# KiCad board travis_erg2024-new6.kicad_pcb (continued)
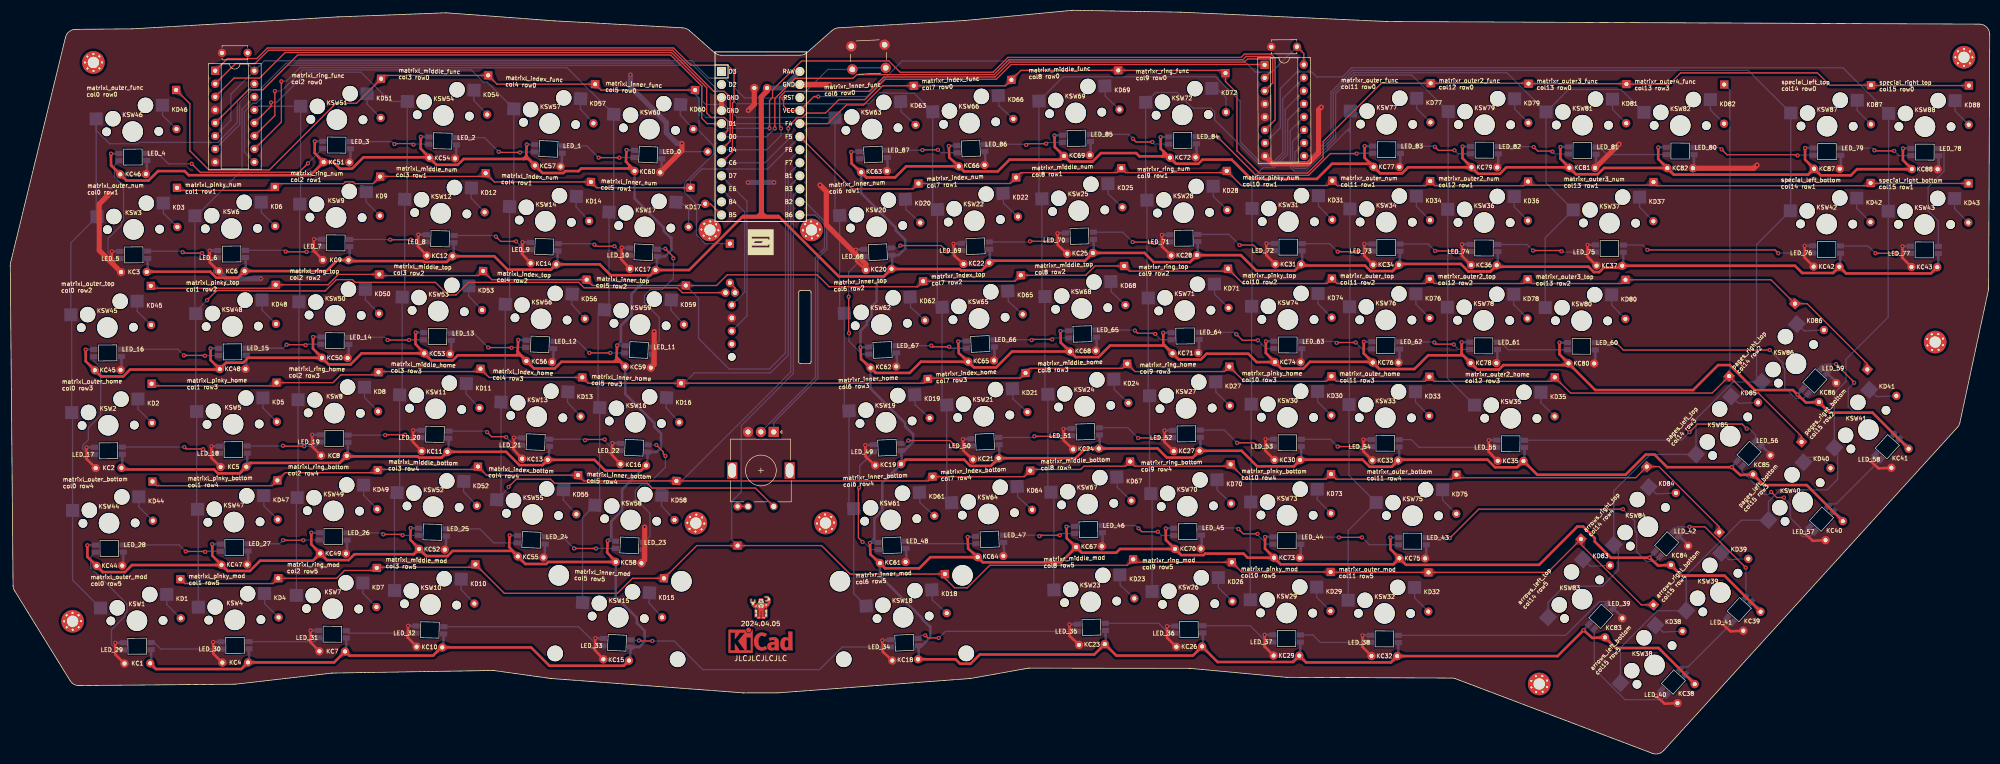
[diagram p0: board, top side]
## Routing (per net, layer and track width the routed paths; a pad name or vN(x,y) marks a point on that pad's centre or on a via; arc(x,y) is an arc through that point) (continued)
LED_4: length 37.7
  Top w0.25: v1(57.94,114.97) 56.2,113.22 36.96,113.22 v1(35.31,114.87)
  Bottom w0.25: KLED46.4 28.73,116.91 30.76,114.87 v1(35.31,114.87) ; v1(57.94,114.97) KLED51.2
LED_5: length 23.1
  Bottom w0.25: KLED3.4 20.11,96.41 19.04,97.49 19.04,100.35 21.62,102.94 21.62,103.41 22.05,103.84 22.05,110.56 20.27,112.34 20.27,114.56 KLED46.2
LED_6: length 14.2
  Top w0.25: v1(37.34,97.47) 33.74,97.47 v1(33.56,97.65)
  Bottom w0.25: v1(33.56,97.65) 33.35,97.86 KLED3.2 ; KLED6.4 38.24,96.58 v1(37.34,97.47)
LED_7: length 15.4
  Top w0.25: v1(57.69,97.73) 53.65,97.73 v1(53.6,97.78)
  Bottom w0.25: KLED6.2 53.35,98.03 v1(53.6,97.78) ; KLED9.4 59.59,97.73 v1(57.69,97.73)
LED_8: length 15.1
  Top w0.25: v1(77.98,100.09) v1(73.94,100.09)
  Bottom w0.25: v1(73.94,100.09) 73.44,100.09 73.38,100.14 KLED9.2 ; KLED12.4 78.42,99.65 v1(77.98,100.09)
LED_9: length 16
  Top w0.25: v1(94.52,100.7) 95.46,99.76 v1(98.46,99.76)
  Bottom w0.25: KLED14.4 100.06,98.16 v1(98.46,99.76) ; KLED12.2 94.31,100.91 v1(94.52,100.7)
LED_10: length 14.8
  Top w0.25: v1(117.61,98.82) 114,98.82 v1(113.7,99.13)
  Bottom w0.25: v1(117.61,98.82) 119.35,97.07 KLED17.4 ; KLED14.2 113.5,99.32 v1(113.7,99.13)
LED_11: length 26.8
  Top w0.25: v1(127.49,98.34) 129.06,96.76 v1(129.06,96.46)
  Bottom w0.25: v1(129.06,96.46) 129.06,92.55 126.91,90.4 124.58,90.4 123.42,89.24 123.42,87.8 126.32,84.91 126.32,80.44 KLED59.4 ; KLED17.2 126.11,98.34 v1(127.49,98.34)
LED_12: length 14.7
  Top w0.25: v1(112.71,78.04) v1(116.77,78.04)
  Bottom w0.25: KLED59.2 116.77,78.05 v1(116.77,78.04) ; v1(112.71,78.04) 110.46,80.29 KLED56.4
LED_13: length 15.7
  Top w0.25: v1(93.02,79.08) 97.52,79.08 v1(97.57,79.03)
  Bottom w0.25: v1(93.02,79.08) 90.24,81.87 KLED53.4 ; KLED56.2 97.66,79.12 v1(97.57,79.03)
LED_14: length 14.8
  Top w0.25: v1(73.44,80.56) v1(77.63,80.56)
  Bottom w0.25: v1(77.63,80.56) 77.93,80.56 77.98,80.61 KLED53.2 ; KLED50.4 72.9,81.09 v1(73.44,80.56)
LED_15: length 14.9
  Top w0.25: v1(57.49,79.54) 57.38,79.64 v1(53.78,79.64)
  Bottom w0.25: v1(57.49,79.54) 57.69,79.74 KLED50.2 ; v1(53.78,79.64) 53.11,78.98 KLED48.4
LED_16: length 19.5
  Top w0.25: v1(37.9,77.48) 37.83,77.56 v1(33.79,77.56)
  Bottom w0.25: v1(37.9,77.48) 37.95,77.53 KLED48.2 ; v1(33.79,77.56) 32.58,78.76 KLED45.4
LED_17: length 22.7
  Bottom w0.25: KLED45.2 16.24,76.49 17.59,75.14 17.59,65.86 15.21,63.48 15.21,61.16 14.11,60.06 14.11,59.35 15.18,58.27 KLED2.4
LED_18: length 19.4
  Top w0.25: v1(37.55,59.3) 37.5,59.35 34.24,59.35 v1(33.86,59.73)
  Bottom w0.25: v1(33.86,59.73) 33.85,59.71 KLED2.2 ; KLED5.4 38.37,58.48 v1(37.55,59.3)
LED_19: length 14.6
  Top w0.25: v1(53.07,59.98) 53.17,59.88 v1(57.21,59.88)
  Bottom w0.25: v1(57.21,59.88) 59.51,59.88 KLED8.4 ; KLED5.2 53.01,59.93 v1(53.07,59.98)
LED_20: length 14.5
  Top w0.25: v1(76.84,62.12) 73.03,62.12 v1(72.95,62.04)
  Bottom w0.25: KLED8.2 72.95,62.05 v1(72.95,62.04) ; v1(76.84,62.12) 77.39,61.56 KLED11.4
LED_21: length 15.3
  Top w0.25: v1(92.79,62.63) 93.68,61.74 96.42,61.74 v1(96.53,61.64)
  Bottom w0.25: KLED11.2 92.6,62.82 v1(92.79,62.63) ; KLED13.4 98.07,60.09 v1(96.53,61.64)
LED_22: length 14.9
  Top w0.25: v1(115.7,61.2) 112.02,61.2 v1(111.87,61.05)
  Bottom w0.25: v1(115.7,61.2) 115.7,60.9 117.58,59.02 KLED16.4 ; v1(111.87,61.05) 111.66,61.26 KLED13.2
LED_23: length 26.2
  Top w0.25: v1(125.74,60.14) 127.11,58.76 127.11,58.38 v1(127.51,57.98)
  Bottom w0.25: KLED16.2 124.17,60.14 v1(125.74,60.14) ; KLED58.4 124.52,42.41 124.52,46.78 121.65,49.64 121.65,51.24 122.75,52.34 124.04,52.34 127.51,55.82 v1(127.51,57.98)
LED_24: length 14.6
  Top w0.25: v1(109.73,39.97) v1(114.03,39.97)
  Bottom w0.25: v1(114.03,39.97) 114.48,39.97 114.5,39.99 KLED58.2 ; KLED55.4 107.48,42.22 v1(109.73,39.97)
LED_25: length 14.9
  Bottom w0.25: KLED55.2 94.11,41.06 91.4,43.78 KLED52.4
LED_26: length 14.1
  Top w0.25: v1(72.6,42.71) 76.21,42.71 v1(76.36,42.56)
  Bottom w0.25: v1(72.6,42.71) 72.31,43 KLED49.4 ; KLED52.2 76.4,42.52 v1(76.36,42.56)
LED_27: length 14.2
  Top w0.25: v1(53.09,41.57) v1(57.05,41.57)
  Bottom w0.25: KLED49.2 57.13,41.64 v1(57.05,41.57) ; v1(53.09,41.57) 52.4,40.88 KLED47.4
LED_28: length 19.5
  Top w0.25: v1(34.14,39.38) 34.15,39.39 37.87,39.39 v1(37.95,39.31)
  Bottom w0.25: v1(37.95,39.31) 38.07,39.43 KLED47.2 ; KLED44.4 32.86,40.67 v1(34.14,39.38)
LED_29: length 25.3
  Bottom w0.25: KLED44.2 15.65,38.29 15.65,36.14 16.33,35.45 16.42,35.45 22.7,29.18 22.7,27.63 22.29,27.22 22.29,26.74 19.7,24.15 19.7,21.29 20.44,20.56 20.96,20.56 21.3,20.21 KLED1.4
LED_30: length 14.2
  Bottom w0.25: KLED1.2 28,21.66 29.28,20.38 KLED4.4
LED_31: length 13.9
  Bottom w0.25: KLED4.2 59.22,21.83 KLED7.4
LED_32: length 13.7
  Bottom w0.25: KLED10.4 65.87,23.48 KLED7.2
LED_33: length 32.5
  Bottom w0.25: KLED10.2 110.61,24.73 114.31,21.03 KLED15.4
LED_34: length 54.8
  Top w0.25: v1(122.36,22.06) 122.46,21.96 v1(124.97,21.96)
  Bottom w0.25: v1(124.97,21.96) 129.19,21.96 134.78,16.37 157.51,16.37 161.92,20.78 KLED18.4 ; KLED15.2 120.94,22.06 v1(122.36,22.06)
LED_35: length 32.1
  Top w0.25: v1(178.08,23.05) 178.59,22.54 v1(180.73,22.54)
  Bottom w0.25: v1(180.73,22.54) 182.01,23.83 KLED23.4 ; v1(178.08,23.05) 177.29,23.05 KLED18.2
LED_36: length 14.4
  Bottom w0.25: KLED23.2 223.55,25.39 225.48,23.46 KLED26.4
LED_37: length 14.9
  Bottom w0.25: KLED26.2 241.34,24.93 244.51,21.75 KLED29.4
LED_38: length 14.2
  Bottom w0.25: KLED29.2 253.53,23.13 254.99,21.67 KLED32.4
LED_39: length 43.6
  Bottom w0.25: KLED32.2 302.69,23.05 309.25,29.61 310.52,29.61 KLED83.4
LED_40: length 24.8
  Bottom w0.25: KLED38.4 321.46,10.53 314.26,10.53 308.3,16.49 KLED83.2
LED_41: length 14
  Bottom w0.25: KLED39.4 326.55,16.91 325.49,16.91 KLED38.2
LED_42: length 23.4
  Top w0.25: v1(326.83,44.19) 329.82,44.19 v1(337.77,36.24)
  Bottom w0.25: KLED84.4 324.56,44.19 v1(326.83,44.19) ; KLED39.2 337.81,36.2 v1(337.77,36.24)
LED_43: length 55.8
  Top w0.25: v1(313.9,47.61) 285.81,47.61 v1(280.17,41.98)
  Bottom w0.25: v1(313.9,47.61) 316.17,45.34 316.17,43.39 316.55,43.01 316.55,39.33 318.43,37.44 320.16,37.44 KLED84.2 ; v1(280.17,41.98) 280.07,42.07 KLED75.4
LED_44: length 19.6
  Top w0.25: v1(263.1,42.13) v1(258.58,42.13)
  Bottom w0.25: v1(263.1,42.13) 264.53,40.7 KLED75.2 ; KLED73.4 258.53,42.18 v1(258.58,42.13)
LED_45: length 15.3
  Top w0.25: v1(239.04,43.75) 239.98,42.81 v1(242.75,42.81)
  Bottom w0.25: v1(239.04,43.75) 238.82,43.98 KLED70.4 ; KLED73.2 244.59,40.8 242.75,42.65 v1(242.75,42.81)
LED_46: length 14.7
  Top w0.25: v1(223.37,43.22) 220.25,43.22 v1(219.59,43.88)
  Bottom w0.25: KLED70.2 224.09,42.51 v1(223.37,43.22) ; KLED67.4 219.03,44.44 v1(219.59,43.88)
LED_47: length 14.2
  Top w0.25: v1(200.31,42.36) 200.49,42.53 v1(204.27,42.53)
  Bottom w0.25: KLED64.4 200.11,42.56 v1(200.31,42.36) ; v1(204.27,42.53) 204.61,42.87 KLED67.2
LED_48: length 13.9
  Bottom w0.25: KLED64.2 174.76,40.9 KLED61.4
LED_49: length 22.8
  Top w0.25: v1(165.21,51.81) 165.07,51.66 165.07,42.07 v1(165.89,41.24)
  Bottom w0.25: v1(165.21,51.81) 165.33,51.93 165.33,56.07 KLED19.4 ; KLED61.2 167.6,39.74 166.1,41.24 v1(165.89,41.24)
LED_50: length 14.5
  Top w0.25: v1(184.05,59.81) 182.88,60.98 v1(174.78,60.98)
  Bottom w0.25: v1(184.05,59.81) 184.18,59.93 KLED21.4 ; v1(174.78,60.98) 174.22,60.42 KLED19.2
LED_51: length 14.4
  Top w0.25: v1(203.66,61.86) 203.61,61.81 v1(199.32,61.81)
  Bottom w0.25: KLED21.2 199.09,61.59 v1(199.32,61.81) ; KLED24.4 203.71,61.91 v1(203.66,61.86)
LED_52: length 15.1
  Top w0.25: v1(223.32,61.53) 223.27,61.48 v1(219.51,61.48)
  Bottom w0.25: KLED24.2 217.52,63.48 v1(219.51,61.48) ; v1(223.32,61.53) 223.34,61.55 KLED27.4
LED_53: length 15.7
  Top w0.25: v1(242.83,59.76) 242.04,60.54 v1(238.77,60.54)
  Bottom w0.25: v1(242.83,59.76) 243.29,59.76 243.38,59.85 KLED30.4 ; KLED27.2 236.28,63.02 v1(238.77,60.54)
LED_54: length 14.2
  Top w0.25: v1(258.35,59.81) v1(262.08,59.81)
  Bottom w0.25: v1(262.08,59.81) 262.12,59.77 KLED33.4 ; v1(258.35,59.81) 256.93,61.23 KLED30.2
LED_55: length 19.6
  Bottom w0.25: KLED35.4 274.18,59.66 272.7,61.15 KLED33.2
LED_56: length 48.3
  Top w0.25: v1(326.83,62.63) 328.39,64.19 337.07,64.19 v1(337.98,63.29)
  Bottom w0.25: v1(337.98,63.29) 338.49,63.29 339.72,62.05 KLED85.4 ; KLED35.2 325.24,61.04 v1(326.83,62.63)
LED_57: length 23.5
  Top w0.25: v1(342.73,50.97) 343.81,49.89 v1(345.23,49.89)
  Bottom w0.25: KLED85.2 337.12,54.89 341.53,50.47 342.23,50.47 v1(342.73,50.97) ; KLED40.4 350.28,42.26 348.82,42.26 348.37,42.71 348.37,44.03 346.44,45.96 346.44,48.52 345.18,49.77
LED_58: length 14
  Bottom w0.25: KLED41.4 355.37,48.64 354.31,48.64 KLED40.2
LED_59: length 24.5
  Top w0.25: v1(358.88,72.23) 358.88,72.33 v1(355.35,75.86)
  Bottom w0.25: v1(358.88,72.23) 357.73,71.08 357.73,67.63 358.83,66.53 362.34,66.53 KLED41.2 ; KLED86.4 353.33,75.86 v1(355.35,75.86)
LED_60: length 48.9
  Top w0.25: v1(342.47,78.6) 313.95,78.6 v1(312.53,80.02)
  Bottom w0.25: KLED86.2 348.98,69.17 347.51,69.17 345.37,71.31 345.37,74.92 344.99,75.3 344.99,76.09 v1(342.47,78.6) ; KLED80.4 312.52,80.03 v1(312.53,80.02)
LED_61: length 14.2
  Bottom w0.25: KLED80.2 291.55,78.65 290.09,80.11 KLED78.4
LED_62: length 14.2
  Top w0.25: v1(280.95,79.69) 280.9,79.75 277.5,79.75 v1(277.17,80.08)
  Bottom w0.25: KLED76.4 277.05,80.2 v1(277.17,80.08) ; v1(280.95,79.69) 281.91,78.74 KLED78.2
LED_63: length 14.3
  Top w0.25: v1(261.85,80.08) 258.22,80.08 v1(258.15,80)
  Bottom w0.25: v1(261.85,80.08) 263.11,78.82 KLED76.2 ; v1(258.15,80) 257.87,80.28 KLED74.4
LED_64: length 15.9
  Top w0.25: v1(238.64,81.68) 239.81,80.51 v1(242.83,80.51)
  Bottom w0.25: KLED74.2 244.43,78.9 v1(242.83,80.51) ; v1(238.64,81.68) 238.24,82.07 KLED71.4
LED_65: length 15.4
  Top w0.25: v1(222.86,81.73) 222.71,81.88 219.41,81.88 v1(218.88,82.41)
  Bottom w0.25: KLED71.2 223.99,80.6 v1(222.86,81.73) ; KLED68.4 218.77,82.52 v1(218.88,82.41)
LED_66: length 14.8
  Top w0.25: v1(202.8,80.69) 198.94,80.69 v1(198.79,80.53)
  Bottom w0.25: v1(198.79,80.53) 198.7,80.62 KLED65.4 ; v1(202.8,80.69) 203.07,80.95 KLED68.2
LED_67: length 13.9
  Top w0.25: v1(179.25,79.47) 179.48,79.24 v1(182.76,79.24)
  Bottom w0.25: KLED65.2 183.04,78.96 v1(182.76,79.24) ; KLED62.4 179.24,79.45 v1(179.25,79.47)
LED_68: length 22.7
  Top w0.25: v1(163.25,81.88) 163.25,82.21 163.17,82.29 v1(163.17,89.02)
  Bottom w0.25: v1(163.17,89.02) 163.17,93.8 KLED20.4 ; KLED62.2 165.77,77.79 163.25,80.32 v1(163.25,81.88)
LED_69: length 14.5
  Top w0.25: v1(182.38,97.75) 181.18,98.95 v1(173.23,98.95)
  Bottom w0.25: v1(182.38,97.75) 182.61,97.99 KLED22.4 ; KLED20.2 172.77,98.48 v1(173.23,98.95)
LED_70: length 15
  Top w0.25: v1(202.49,99.96) 202.32,99.79 v1(198.46,99.79)
  Bottom w0.25: KLED25.4 202.53,99.99 v1(202.49,99.96) ; v1(198.46,99.79) 198.31,99.64 KLED22.2
LED_71: length 15.9
  Top w0.25: v1(222.71,99.48) 222.56,99.63 v1(218.45,99.63)
  Bottom w0.25: v1(218.45,99.63) 216.52,101.56 KLED25.2 ; v1(222.71,99.48) 222.88,99.65 KLED28.4
LED_72: length 16.2
  Top w0.25: v1(239.25,99.05) 241.97,99.05 v1(243.06,97.96)
  Bottom w0.25: v1(239.25,99.05) 237.18,101.12 KLED28.2 ; KLED31.4 243.06,97.95 v1(243.06,97.96)
LED_73: length 14.4
  Top w0.25: v1(262.23,97.73) 262.21,97.75 v1(258.35,97.75)
  Bottom w0.25: v1(258.35,97.75) 256.77,99.33 KLED31.2 ; KLED34.4 262.38,97.87 v1(262.23,97.73)
LED_74: length 14.4
  Top w0.25: v1(277.32,97.91) 281.16,97.91 v1(281.41,97.65)
  Bottom w0.25: v1(277.32,97.91) 275.98,99.25 KLED34.2 ; KLED36.4 281.55,97.79 v1(281.41,97.65)
LED_75: length 19.6
  Top w0.25: v1(296.37,97.98) 301.76,97.98 v1(301.91,97.83)
  Bottom w0.25: KLED36.2 295.19,99.16 v1(296.37,97.98) ; KLED37.4 302.06,97.68 v1(301.91,97.83)
LED_76: length 37.5
  Top w0.25: v1(318.62,98.11) 343.46,98.11 v1(344.12,97.45)
  Bottom w0.25: v1(318.62,98.11) 317.68,99.06 KLED37.2 ; v1(344.12,97.45) 344.17,97.5 KLED42.4
LED_77: length 14.2
  Top w0.25: v1(363.02,97.45) 366.96,97.45 v1(366.98,97.42)
  Bottom w0.25: v1(366.98,97.42) 367,97.41 KLED43.4 ; KLED42.2 361.6,98.87 v1(363.02,97.45)
LED_78: length 22
  Bottom w0.25: KLED88.4 376.04,117.84 376.36,117.52 376.36,113.41 373.27,110.31 373.27,105.72 375.26,103.73 KLED43.2
LED_79: length 14.2
  Top w0.25: v1(362.82,117.49) 362.92,117.39 v1(366.68,117.39)
  Bottom w0.25: KLED87.4 362.39,117.92 v1(362.82,117.49) ; KLED88.2 367.61,116.46 v1(366.68,117.39)
LED_80: length 23.8
  Top w0.25: v1(333.08,117.69) 334.14,116.63 347.73,116.63 v1(347.86,116.5)
  Bottom w0.25: KLED87.2 347.91,116.55 v1(347.86,116.5) ; KLED82.4 332.72,118.05 v1(333.08,117.69)
LED_81: length 14.2
  Bottom w0.25: KLED81.4 309.3,118.13 310.76,116.67 KLED82.2
LED_82: length 14.2
  Top w0.25: v1(296.5,118.15) 297.31,117.34 300.06,117.34 v1(300.16,117.24)
  Bottom w0.25: v1(300.16,117.24) 300.64,116.75 KLED81.2 ; v1(296.5,118.15) 296.44,118.21 KLED79.4
LED_83: length 14.2
  Top w0.25: v1(281.11,117.49) 277.96,117.49 v1(277.27,118.18)
  Bottom w0.25: v1(277.27,118.18) 277.15,118.3 KLED77.4 ; KLED79.2 281.76,116.84 v1(281.11,117.49)
LED_84: length 39.2
  Top w0.25: v1(262.06,116.85) 256.93,116.85 252.69,112.62 242.47,112.62 v1(235.11,119.98)
  Bottom w0.25: v1(235.11,119.98) 234.92,120.17 KLED72.4 ; KLED77.2 262.12,116.92 v1(262.06,116.85)
LED_85: length 16.1
  Top w0.25: v1(218.5,119.75) 219.13,119.12 v1(222.28,119.12)
  Bottom w0.25: v1(222.28,119.12) 222.7,118.7 KLED72.2 ; v1(218.5,119.75) 217.65,120.6 KLED69.4
LED_86: length 15.5
  Top w0.25: v1(201.63,118.79) 197.97,118.79 v1(197.72,118.53)
  Bottom w0.25: KLED69.2 201.88,119.04 v1(201.63,118.79) ; KLED66.4 197.58,118.67 v1(197.72,118.53)
LED_87: length 14
  Top w0.25: v1(180.57,117.59) 177.58,117.59 v1(177.53,117.54)
  Bottom w0.25: v1(180.57,117.59) 181.15,117.01 KLED66.2 ; KLED63.4 176.99,117.51 177.02,117.54 v1(177.53,117.54)
matrixl_index_bottom: length 5.8
  Bottom w0.25: KD55.2 107.61,49.43 KSW55.2
matrixl_index_func: length 5.8
  Bottom w0.25: KD57.2 110.94,125.56 KSW57.2
matrixl_index_home: length 5.8
  Bottom w0.25: KSW13.2 108.44,68.46 KD13.2
matrixl_index_num: length 5.8
  Bottom w0.25: KSW14.2 110.11,106.52 KD14.2
matrixl_index_top: length 5.8
  Bottom w0.25: KD56.2 109.28,87.49 KSW56.2
matrixl_inner_bottom: length 5.8
  Bottom w0.25: KD58.2 126.73,48.32 KSW58.2
matrixl_inner_func: length 5.8
  Bottom w0.25: KSW60.2 130.39,124.43 KD60.2
matrixl_inner_home: length 5.8
  Bottom w0.25: KSW16.2 127.64,67.35 KD16.2
matrixl_inner_mod: length 5.8
  Bottom w0.25: KSW15.2 124.32,29.36 KD15.2
matrixl_inner_num: length 6.4
  Bottom w0.25: KSW17.2 130.58,107.39 132.02,105.94 KD17.2
matrixl_inner_top: length 5.8
  Bottom w0.25: KSW59.2 128.56,86.37 KD59.2
matrixl_middle_bottom: length 5.8
  Bottom w0.25: KSW52.2 88.21,51.04 KD52.2
matrixl_middle_func: length 5.8
  Bottom w0.25: KSW54.2 90.21,127.22 KD54.2
matrixl_middle_home: length 5.8
  Bottom w0.25: KSW11.2 88.71,70.09 KD11.2
matrixl_middle_mod: length 5.8
  Bottom w0.25: KD10.2 87.71,32 KSW10.2
matrixl_middle_num: length 5.8
  Bottom w0.25: KSW12.2 89.71,108.17 KD12.2
matrixl_middle_top: length 5.8
  Bottom w0.25: KSW53.2 89.21,89.13 KD53.2
matrixl_outer_bottom: length 5.8
  Bottom w0.25: KSW44.2 25.04,48.04 KD44.2
matrixl_outer_func: length 5.8
  Bottom w0.25: KSW46.2 29.64,124.28 KD46.2
matrixl_outer_home: length 5.8
  Bottom w0.25: KSW2.2 24.87,67.09 KD2.2
matrixl_outer_mod: length 5.8
  Bottom w0.25: KSW1.2 30.47,29.04 KD1.2
matrixl_outer_num: length 5.8
  Bottom w0.25: KSW3.2 29.8,105.23 KD3.2
matrixl_outer_top: length 5.8
  Bottom w0.25: KSW45.2 24.71,86.14 KD45.2
matrixl_pinky_bottom: length 5.8
  Bottom w0.25: KD47.2 49.35,48.25 49.34,50.24
matrixl_pinky_home: length 5.8
  Bottom w0.25: KD5.2 49.19,67.3 KSW5.2
matrixl_pinky_mod: length 5.8
  Bottom w0.25: KD4.2 49.52,29.2 KSW4.2
matrixl_pinky_num: length 5.8
  Bottom w0.25: KSW6.2 48.85,105.4 KD6.2
matrixl_pinky_top: length 5.8
  Bottom w0.25: KD48.2 49.02,86.35 KSW48.2
matrixl_ring_bottom: length 5.8
  Bottom w0.25: KSW49.2 68.77,50.32 KD49.2
matrixl_ring_func: length 5.8
  Bottom w0.25: KSW51.2 69.44,126.51 KD51.2
matrixl_ring_home: length 5.8
  Bottom w0.25: KSW8.2 68.94,69.37 KD8.2
matrixl_ring_mod: length 5.8
  Bottom w0.25: KD7.2 68.6,31.27 68.62,33.26
matrixl_ring_num: length 5.8
  Bottom w0.25: KSW9.2 69.27,107.46 KD9.2
matrixl_ring_top: length 5.8
  Bottom w0.25: KSW50.2 69.1,88.42 KD50.2
matrixr_index_bottom: length 5.8
  Bottom w0.25: KD64.2 196.07,50.05 KSW64.2
matrixr_index_func: length 5.8
  Bottom w0.25: KSW66.2 192.41,126.16 KD66.2
matrixr_index_home: length 5.8
  Bottom w0.25: KD21.2 195.16,69.08 KSW21.2
matrixr_index_num: length 5.8
  Bottom w0.25: KSW22.2 193.33,107.13 KD22.2
matrixr_index_top: length 5.8
  Bottom w0.25: KD65.2 194.24,88.11 KSW65.2
matrixr_inner_bottom: length 5.8
  Bottom w0.25: KSW61.2 177.05,48.89 KD61.2
matrixr_inner_func: length 5.8
  Bottom w0.25: KSW63.2 173.4,125 KD63.2
matrixr_inner_home: length 5.8
  Bottom w0.25: KD19.2 176.14,67.91 176.04,69.9
matrixr_inner_mod: length 5.8
  Bottom w0.25: KD18.2 179.47,29.93 KSW18.2
matrixr_inner_num: length 5.8
  Bottom w0.25: KD20.2 174.31,105.97 KSW20.2
matrixr_inner_top: length 5.8
  Bottom w0.25: KD62.2 175.23,86.94 KSW62.2
matrixr_middle_bottom: length 5.8
  Bottom w0.25: KSW67.2 215.44,51.88 KD67.2
matrixr_middle_func: length 5.8
  Bottom w0.25: KSW69.2 213.11,128.04 KD69.2
matrixr_middle_home: length 5.8
  Bottom w0.25: KD24.2 214.86,70.92 KSW24.2
matrixr_middle_mod: length 5.8
  Bottom w0.25: KSW23.2 216.02,32.84 KD23.2
matrixr_middle_num: length 5.8
  Bottom w0.25: KD25.2 213.69,109 KSW25.2
matrixr_middle_top: length 5.8
  Bottom w0.25: KSW68.2 214.28,89.96 217.04,87.36
matrixr_outer2_func: length 5.8
  Bottom w0.25: KD79.2 292.79,125.55 KSW79.2
matrixr_outer2_home: length 5.8
  Bottom w0.25: KSW35.2 297.91,68.37 KD35.2
matrixr_outer2_num: length 5.8
  Bottom w0.25: KSW36.2 292.71,106.5 KD36.2
matrixr_outer2_top: length 5.8
  Bottom w0.25: KD78.2 292.63,87.45 KSW78.2
matrixr_outer3_func: length 5.8
  Bottom w0.25: KD81.2 311.84,125.46 KSW81.2
matrixr_outer3_num: length 5.8
  Bottom w0.25: KSW37.2 317.12,106.39 319.79,103.7
matrixr_outer3_top: length 5.8
  Bottom w0.25: KD80.2 311.68,87.36 KSW80.2
matrixr_outer4_func: length 5.8
  Bottom w0.25: KD82.2 330.89,125.38 KSW82.2
matrixr_outer_bottom: length 5.8
  Bottom w0.25: KD75.2 278.77,49.41 KSW75.2
matrixr_outer_func: length 5.8
  Bottom w0.25: KD77.2 273.74,125.63 KSW77.2
matrixr_outer_home: length 5.8
  Bottom w0.25: KSW33.2 273.49,68.48 KD33.2
matrixr_outer_mod: length 5.8
  Bottom w0.25: KD32.2 273.33,30.38 KSW32.2
matrixr_outer_num: length 5.8
  Bottom w0.25: KSW34.2 273.66,106.58 KD34.2
matrixr_outer_top: length 5.8
  Bottom w0.25: KSW76.2 273.58,87.53 KD76.2
matrixr_pinky_bottom: length 5.8
  Bottom w0.25: KD73.2 254.36,49.51 KSW73.2
matrixr_pinky_home: length 5.8
  Bottom w0.25: KSW30.2 254.44,68.56 KD30.2
matrixr_pinky_mod: length 5.8
  Bottom w0.25: KD29.2 254.28,30.46 KSW29.2
matrixr_pinky_num: length 5.8
  Bottom w0.25: 257.28,103.97 254.61,106.66 KSW31.2
matrixr_pinky_top: length 5.8
  Bottom w0.25: KSW74.2 254.53,87.61 KD74.2
matrixr_ring_bottom: length 5.8
  Bottom w0.25: KSW70.2 234.9,51.37 KD70.2
matrixr_ring_func: length 6.3
  Bottom w0.25: KD72.2 236.62,127.74 234.81,129.55 233.88,129.55
matrixr_ring_home: length 5.8
  Bottom w0.25: KD27.2 234.65,70.41 KSW27.2
matrixr_ring_mod: length 5.8
  Bottom w0.25: KSW26.2 235.15,32.32 KD26.2
matrixr_ring_num: length 5.8
  Bottom w0.25: KD28.2 234.15,108.51 KSW28.2
matrixr_ring_top: length 5.8
  Bottom w0.25: KD71.2 234.4,89.46 KSW71.2
mux0: length 238.6
  Top w0.25: DIP1.1 42.26,135.36 47.97,135.36 50.05,137.44 129.08,137.44 132.47,134.05 139.64,134.05 140.87,132.82 140.87,126.97 140.56,126.66 140.56,117.2 MCU1.8 ; v1(151.41,121.73) 151.41,122.13 153.18,123.89 154.16,123.89 155.02,124.75 158.65,124.75 161.27,127.37 166.32,127.37 170.29,131.33 191.93,131.33 194.8,134.21 244.07,134.21 DIP2.1
  Bottom w0.25: MCU1.8 146.89,115.07 151.41,119.6 v1(151.41,121.73)
mux1: length 240.6
  Top w0.25: DIP2.2 245.27,132.71 245.27,135.07 245.04,135.3 240.82,135.3 240.21,134.69 194.55,134.69 191.65,131.78 170.03,131.78 167.22,128.97 150.85,128.97 149.74,127.86 149.74,122.04 v1(150.02,121.76) ; DIP1.2 43.83,134.38 47.63,134.38 50.24,136.99 128.89,136.99 136.91,128.97 138.97,128.97 140.11,127.83 140.11,119.29 MCU1.7
  Bottom w0.25: MCU1.7 147.24,117.61 150.02,120.39 v1(150.02,121.76)
mux2: length 239.5
  Top w0.25: DIP1.3 43.55,131.57 48.52,131.57 53.5,136.54 128.71,136.54 135.54,129.71 135.54,124.78 136.43,123.89 138.93,123.89 139.64,123.19 139.64,121.35 MCU1.6 ; v1(148.8,121.76) 148.8,127.56 152.75,131.51 164.03,131.51 164.75,132.23 191.46,132.23 194.36,135.14 239.88,135.14 240.53,135.78 245.19,135.78 245.72,135.25 245.72,130.61 DIP2.3
  Bottom w0.25: v1(148.8,121.76) 147.19,120.15 MCU1.6
mux3: length 248.4
  Top w0.25: DIP1.5 46.38,129.32 49.19,129.32 55.93,136.06 128.54,136.06 134.57,130.02 134.57,123.74 135.62,122.69 MCU1.5 ; v1(147.78,121.76) 147.78,127.17 148.37,127.76 148.37,129.24 154.02,134.89 171,134.89 173.21,132.68 191.28,132.68 194.18,135.59 239.55,135.59 240.2,136.23 245.37,136.23 246.17,135.44 246.17,123.41 DIP2.6
  Bottom w0.25: v1(147.78,121.76) 147.76,121.78 139.34,121.78 MCU1.5
pages_left_bottom: length 6.7
  Bottom w0.25: KD40.2 354.28,55.85 352.4,57.72 349.99,57.72 KSW40.2
pages_left_top: length 5.8
  Bottom w0.25: KSW85.2 336.39,68.22 KD85.2
pages_right_bottom: length 5.8
  Bottom w0.25: KSW41.2 363.3,69.51 367.09,69.7
pages_right_top: length 5.8
  Bottom w0.25: KSW86.2 349.2,82.32 KD86.2
RAW: length 2528.8
  Top w0.5: 98.76,78.32 98.76,77.86 98.48,77.59 ; 98.76,78.32 KC56.1 ; 98.76,78.32 v1(98.85,80.58) ; KC68.1 207.38,77.22 211.8,77.22 214.07,79.49 224.68,79.49 KC71.1 ; KC68.1 204.47,80.03 v1(204.4,82.3) ; KC68.1 194.97,78.32 191.87,75.22 187.56,75.22 KC65.1 ; v1(263.6,118.32) 263.59,116.05 KC77.1 ; 145.39,104.71 147.02,104.71 ; 145.39,104.71 142.65,104.71 142.26,104.32 ; 145.39,104.71 146.21,105.53 146.21,105.55 147.02,104.74 147.02,104.71 ; KC75.1 271.65,36.78 297.56,36.78 305.01,44.24 306.15,44.24 308.4,41.99 308.4,41.3 311.54,38.17 v1(319.03,38.17) 320.7,36.64 KC84.1 325.28,34.68 333.64,34.68 KC39.1 ; KC75.1 269.22,36.89 247.24,36.89 KC73.1 ; KC75.1 268.62,39.83 v1(268.63,42.1) ; KC65.1 184.61,78.01 v1(184.5,80.27) ; KC65.1 177.24,76.33 175.06,74.16 168.45,74.16 KC62.1 165.59,76.85 v1(165.48,79.11) ; KC52.1 78.55,38.85 66.99,38.85 65.85,37.71 61.62,37.71 KC49.1 ; KC52.1 80.96,38.5 85.09,38.5 86.08,39.49 97.71,39.49 KC55.1 ; KC52.1 77.86,41.69 v1(77.92,43.95) ; 120.55,114.51 120.55,114.21 120.3,113.96 ; 120.55,114.51 119.83,115.3 v1(119.94,117.57) ; 120.55,114.51 KC60.1 121,113.96 120.3,113.96 ; KC66.1 182.78,116.07 v1(182.67,118.33) ; KC66.1 185.64,113.38 192.18,113.38 194.49,115.69 204.41,115.69 KC69.1 ; KC66.1 174.39,114.39 172.21,112.21 166.62,112.21 KC63.1 163.76,114.9 v1(163.65,117.17) ; KC72.1 226.9,114.88 231.23,114.88 232.04,115.69 237.72,115.69 241.48,111.93 254.31,111.93 257.26,114.88 264.75,114.88 KC77.1 ; KC72.1 225.45,116.32 224.21,116.32 ; KC72.1 224.82,116.93 ; KC49.1 58.91,37.58 48.62,37.58 46.63,35.59 42.32,35.59 KC47.1 ; KC49.1 58.58,40.78 v1(58.6,43.05) ; KC48.1 42.02,76.13 45.33,76.13 46.3,77.1 60.66,77.1 KC50.1 ; KC48.1 40.71,74.82 23.33,74.82 21.98,73.47 17.67,73.47 KC45.1 14.68,76.43 v1(14.66,78.7) ; KC48.1 39,76.64 v1(38.98,78.91) ; KC82.1 322.47,114.06 310.19,114.06 308.97,112.84 304.72,112.84 KC81.1 ; KC82.1 323.77,112.76 349.93,112.76 KC87.1 ; KC82.1 320.74,115.8 v1(320.75,118.07) ; v1(301.7,118.15) 301.69,115.89 KC81.1 ; KC80.1 302.95,75.68 290.61,75.68 289.75,74.82 285.51,74.82 KC78.1 ; KC80.1 301.53,77.79 v1(301.54,80.05) ; KC80.1 308.49,70.81 327.53,70.81 332.4,75.68 334.68,75.68 339.55,70.81 346.97,70.81 348.25,69.52 ; KC81.1 303.38,114.19 291.18,114.19 289.92,112.92 285.67,112.92 KC79.1 ; KC54.1 82.95,114.67 87.09,114.67 88.23,115.81 99.88,115.81 ; KC54.1 79.85,117.86 v1(79.91,120.13) ; KC54.1 81.48,116.14 68.75,116.14 66.51,113.91 64.18,113.91 62.88,115.2 KC51.1 ; 224.5,117.24 223.92,117.81 v1(223.89,120.07) ; 224.5,117.24 224.82,116.93 ; 224.5,117.24 224.5,116.61 224.21,116.32 ; KC57.1 103.57,113.07 107.62,113.07 108,113.45 110.62,113.45 111.13,113.96 120.3,113.96 ; KC57.1 100.42,116.38 ; KC57.1 100.84,115.81 99.88,115.81 ; v1(167.31,41.05) 167.42,38.79 KC61.1 170.28,36.1 176.91,36.1 179.08,38.28 KC64.1 ; KC70.1 227.89,38.68 232.25,38.68 232.53,38.96 240.03,38.96 240.83,38.16 KC73.1 ; KC70.1 215.98,39.87 215.26,39.14 208.55,39.14 KC67.1 ; KC70.1 224.92,41.61 v1(224.89,43.88) ; KC77.1 266.62,113.01 270.87,113.01 272.05,114.19 284.39,114.19 KC79.1 ; v1(100.52,118.65) 100.42,116.38 ; 100.42,116.38 99.88,115.84 99.88,115.81 ; KC78.1 282.48,77.87 v1(282.49,80.14) ; KC78.1 282.75,77.59 275.96,77.59 273.28,74.91 266.46,74.91 KC76.1 ; 117.89,76.67 118,76.78 118,77.25 ; 117.89,76.67 117.53,76.32 ; 117.89,76.67 118.52,76.67 ; KC55.1 100.25,36.95 104.3,36.95 104.69,37.34 KC58.1 116.17,39.19 v1(116.28,41.46) ; KC55.1 97.09,40.26 v1(97.19,42.52) ; KC53.1 68.38,77.96 66.22,75.81 61.96,75.81 KC50.1 ; KC53.1 81.95,76.58 86.09,76.58 87.09,77.59 98.48,77.59 ; KC53.1 78.85,79.78 v1(78.91,82.04) ; KC51.1 58.44,112.65 34.74,112.65 33.94,113.45 28.75,113.45 26.91,111.62 22.6,111.62 KC46.1 19.61,114.57 v1(19.59,116.84) ; KC51.1 59.24,116.98 v1(59.26,119.25) ; KC67.1 204.48,37.27 189.29,37.27 KC64.1 ; KC67.1 205.63,41.95 v1(205.56,44.22) ; 147.02,104.71 149.47,104.71 149.76,104.43 ; v1(203.23,120.38) 203.3,118.12 KC69.1 ; KC56.1 99.34,77.59 98.48,77.59 ; KC56.1 101.91,75.01 105.96,75.01 107.26,76.32 117.53,76.32 ; KC41.1 362.46,66.41 354.1,66.41 KC86.1 349.52,68.37 348.25,69.52 ; KC64.1 186.43,39.96 v1(186.33,42.22) ; v1(224.39,81.97) 224.42,79.71 KC71.1 ; 224.21,116.32 219.77,116.32 219.13,116.96 212.29,116.96 210.64,115.31 206.22,115.31 KC69.1 ; 224.21,116.32 224.82,116.93 ; KC73.1 244.21,39.94 v1(244.22,42.2) ; v1(347.85,69.89) 348.25,69.52 ; KC79.1 282.64,115.97 v1(282.65,118.24) ; 118,77.25 118.52,76.67 ; 118,77.25 v1(118.11,79.51) ; 142.26,104.32 132.12,94.19 KC17.1 124.58,93.18 116.85,93.18 114.74,95.29 KC14.1 105.24,94.26 96.81,94.26 94.19,96.88 KC12.1 84.95,95.76 80.55,95.76 80.39,95.93 66.01,95.93 KC9.1 63.64,96.11 61.51,93.98 KC6.1 44.32,92.69 40.09,92.69 38.92,93.87 26.61,93.87 KC3.1 ; 142.26,104.32 142.34,104.41 149.74,104.41 149.76,104.43 ; KC47.1 41.06,36.74 23.69,36.74 22.32,35.37 18.01,35.37 KC44.1 15.02,38.33 v1(15,40.6) ; KC47.1 39.33,38.54 v1(39.31,40.81) ; KC74.1 247.41,74.99 251.65,74.99 252.98,76.32 265.05,76.32 KC76.1 ; KC74.1 242.58,76.26 240.95,77.89 232.84,77.89 231.73,76.78 227.39,76.78 KC71.1 ; KC74.1 244.38,78.04 v1(244.39,80.3) ; KC40.1 349.65,52.31 341.29,52.31 KC85.1 336.71,54.27 v1(335.04,55.79) 322.48,55.79 320.02,58.26 318.32,58.26 314.38,54.32 297.2,54.32 KC35.1 293.29,55.77 289,55.77 287.5,57.27 270.26,57.27 KC33.1 268.87,55.88 264.59,55.88 263.2,57.27 251.13,57.27 KC30.1 249.82,55.96 242.69,55.96 239.67,58.98 KC27.1 230.14,57.67 225.08,57.67 223.31,59.43 KC24.1 209.23,59.43 207.34,57.54 KC21.1 190.87,56.05 186.85,56.05 185.64,57.27 174.23,57.27 KC19.1 ; 117.53,76.32 118.76,76.32 KC59.1 118.52,76.67 ; v1(368.38,117.86) 368.37,115.6 KC88.1 359.43,113.82 358.24,112.63 352.35,112.63 KC87.1 ; KC50.1 58.91,78.88 v1(58.93,81.15) ; KC87.1 349.32,115.68 v1(349.33,117.95) ; KC76.1 263.43,77.95 v1(263.44,80.22) ; KC16.1 122.75,55.12 115.82,55.12 113.71,57.23 KC13.1 103.58,56.2 99.1,56.2 96.5,58.79 KC11.1 83.95,57.67 79.56,57.67 79.33,57.9 65.6,57.9 KC8.1 64.12,56.63 46.69,56.63 KC5.1 44.65,54.59 40.43,54.59 39.66,55.36 21.94,55.36 KC2.1 ; KC43.1 373.81,93.52 357.3,93.52 KC42.1 354.77,93.61 348.77,93.61 347.36,95.02 KC37.1 313.37,94.66 310.11,94.66 309.25,93.79 308.21,93.79 307.17,94.83 289.61,94.83 KC36.1 288.09,93.9 283.8,93.9 282.33,95.37 270.43,95.37 KC34.1 269.04,93.98 264.75,93.98 263.67,95.06 251.45,95.06 KC31.1 249.99,94.06 242.53,94.06 239.52,97.08 KC28.1 229.6,95.72 222.55,95.72 220.75,97.51 KC25.1 209.19,96 190.94,96 KC22.1 189.05,94.11 185.02,94.11 184.76,94.38 171.58,94.38 KC20.1 170.03,92.95 161.24,92.95 149.76,104.43 ; KC1.1 28.35,16.49 44.98,16.49 KC4.1 63.04,17.79 KC7.1 65.96,19.11 82.29,19.11 83.89,20.7 KC10.1 101.37,20.7 104.93,17.14 119.42,17.14 KC15.1 ; KC18.1 183.96,18.4 184.84,17.52 186.91,17.52 188.71,19.32 211,19.32 KC23.1 215.26,19.12 230.19,19.12 KC26.1 234.98,17.86 249.66,17.86 KC29.1 252.2,17.78 268.71,17.78 KC32.1 301.16,19.01 v1(306.22,24.07) 307.9,22.54 KC83.1 312.47,20.58 320.83,20.58 KC38.1